# KiCad board TB9051FTG_Motortreiber_V0.1_geschlossen_wegen_Fehler.kicad_pcb
title: TB9051FTG Motortreiber; date: 2022-06-18; rev: V0.1; company: (C) Uwe Zimprich
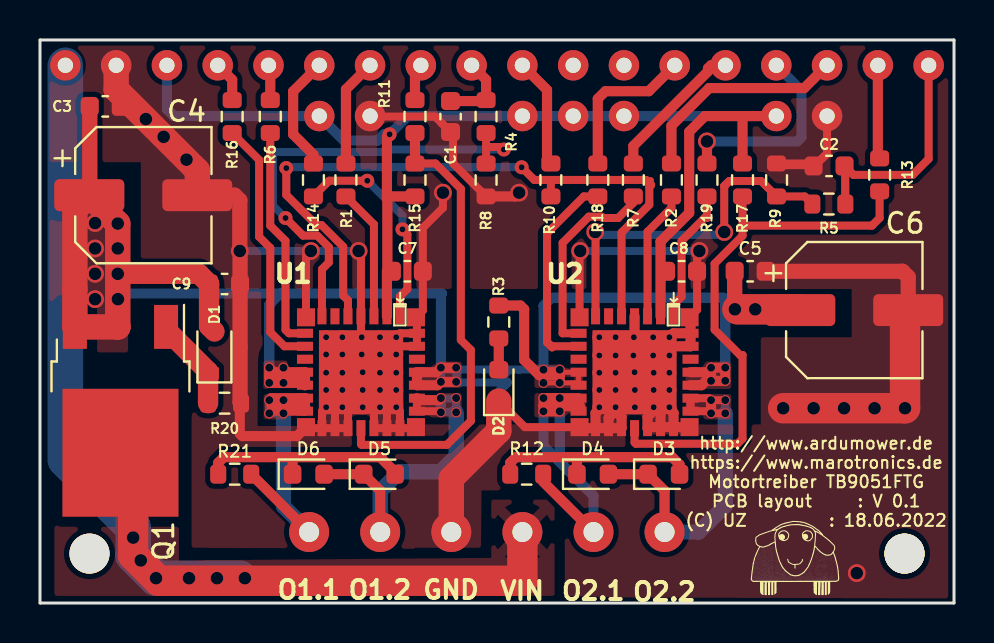
[diagram p0: board, top side]
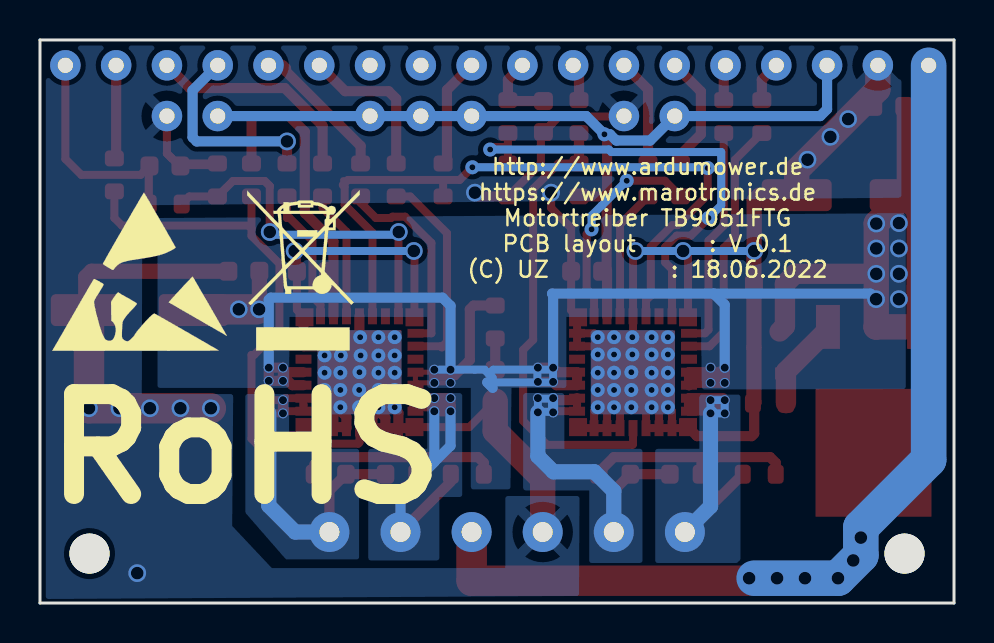
[diagram p1: board, bottom side, seen from below]

Outline 45.72 x 28.19 mm; copper layers: Top, Bottom. Coordinates in mm from the lower left corner of the outline.
Stack: Top 0.035mm / dielectric 0.48mm FR4 er 4.5 / Bottom 0.035mm

## Placement (name value [footprint] x y rotation side)
C1  470nF 25V  [C_0603_1608Metric]  20.54 24.36 270 top
C2  470nF 25V  [C_0603_1608Metric]  39.47 21.88 180 top
C3  100nF 50V  [C_0603_1608Metric]  3.26 24.87 0 top
C4  47uF 50V  [CP_Elec_6.3x7.7]  5.17 20.42 0 top
C5  100nF 50V  [C_0603_1608Metric]  35.52 16.61 0 top
C6  47uF 50V  [CP_Elec_6.3x7.7]  40.73 14.67 0 top
C7  100nF 50V  [C_0603_1608Metric]  18.38 16.61 180 top
C8  100nF 50V  [C_0603_1608Metric]  32.09 16.61 180 top
C9  100nF 50V  [C_0603_1608Metric]  9.23 15.98 180 top
D1  ZENER 16.2V  [D_SOD-323]  8.72 12.55 90 top
D2  LED_Blau  [LED_0603_1608Metric]  22.95 10.9 90 top
D3  LED_Rot  [LED_0603_1608Metric]  31.2 6.45 0 top
D4  LED_Grün  [LED_0603_1608Metric]  27.65 6.45 0 top
D5  LED_Rot  [LED_0603_1608Metric]  16.98 6.45 0 top
D6  LED_Grün  [LED_0603_1608Metric]  13.42 6.45 0 top
H1  WEEE-Logo  [WEEE-Logo_5.6x8mm_SilkScreen]  32.55 16.66 180 bottom
H2  ESD-Logo  [ESD-Logo_8.9x8mm_SilkScreen]  40.73 16.61 180 bottom
H3  -  [Logo_Ardumower_05mm]  37.68 2.26 0 top
Q1  D4185  [TO-252-2]  4.03 9.63 270 top
R1  1k  [R_0603_1608Metric]  15.3 21.18 270 top
R2  1k  [R_0603_1608Metric]  31.58 21.18 270 top
R3  4.7k  [R_0603_1608Metric]  22.95 14.07 270 top
R4  1k  [R_0603_1608Metric]  22.31 24.36 270 top
R5  1k  [R_0603_1608Metric]  39.46 19.98 180 top
R6  1k  [R_0603_1608Metric]  11.52 24.36 270 top
R7  1k  [R_0603_1608Metric]  29.68 21.18 270 top
R8  180  [R_0603_1608Metric]  22.31 21.18 270 top
R9  180  [R_0603_1608Metric]  36.84 21.18 90 top
R10  1k  [R_0603_1608Metric]  25.55 21.18 270 top
R11  220  [R_0603_1608Metric]  18.76 24.36 270 top
R12  4.7k  [R_0603_1608Metric]  24.35 6.45 180 top
R13  220  [R_0603_1608Metric]  42 21.44 270 top
R14  1k  [R_0603_1608Metric]  13.68 21.18 270 top
R15  10k  [R_0603_1608Metric]  18.76 21.18 270 top
R16  1k  [R_0603_1608Metric]  9.61 24.36 270 top
R17  10k  [R_0603_1608Metric]  35.14 21.18 90 top
R18  1k  [R_0603_1608Metric]  27.9 21.18 270 top
R19  1k  [R_0603_1608Metric]  33.36 21.18 270 top
R20  100k  [R_0603_1608Metric]  9.23 10.01 180 top
R21  4.7k  [R_0603_1608Metric]  9.74 6.45 180 top
U1  -  [TB9051FTG]  16.06 11.56 180 top
U2  -  [TB9051FTG]  29.74 11.56 180 top
U3  Motortreiber TB9051FTG  [MC33926_24_Pin_spezial_2Reihe_IORF_Pins_3und2]  -3.81 -10.92 0 top

## Library data of the parts
C1 C2 = -: Description: Unpolarized capacitor, small symbol; Beschreibung: 25V 470nF X7R ±10% 0603 Multilayer Ceramic Capacitors MLCC - SMD/SMT ROHS; Bestelllink: https://jlcpcb.com/parts/componentSearch?isSearch=true&searchTxt=0.47%200603; Bestücken (Assemble): JA (YES); Gehäuse: 0603; JLCPCB Basic / Extern: Basic; JLCPCB LCSC Part: C1623; Manufacturer_Name: CL10B474KA8NNNC; Manufacturer_Part_Number: Samsung Electro-Mechanics
C3 C5 = -: Description: Unpolarized capacitor, small symbol; Beschreibung: 50V 100nF X7R ±10% 0603 Multilayer Ceramic Capacitors MLCC - SMD/SMT ROHS; Bestelllink: https://jlcpcb.com/parts/componentSearch?isSearch=true&searchTxt=47uf; Bestücken (Assemble): JA (YES); Gehäuse: 0603; JLCPCB Basic / Extern: Basic; JLCPCB LCSC Part: C14663
C4 C6 = -: Description: Polarized capacitor, small symbol; Beschreibung: 1000hrs@105℃ -45℃~+105℃ 47uF 7.7mm 50V 6.3mm ±20% SMD,6.3x7.7mm Aluminum Electrolytic Capacitors - SMD ROHS; Bestelllink: https://jlcpcb.com/parts/componentSearch?isSearch=true&searchTxt=47uf; Bestücken (Assemble): JA (YES); Gehäuse: SMD,6.3x7.7mm; JLCPCB Basic / Extern: Extern; JLCPCB LCSC Part: C108053; Manufacturer_Name: VES470M1HTR-0607; Manufacturer_Part_Number: Lelon
C7-C9 = -: Description: 50V 100nF X7R ±10% 0603 Multilayer Ceramic Capacitors MLCC - SMD/SMT ROHS; Beschreibung: 50V 100nF X7R ±10% 0603 Multilayer Ceramic Capacitors MLCC - SMD/SMT ROHS; Bestelllink: https://jlcpcb.com/parts/componentSearch?isSearch=true&searchTxt=47uf; Bestücken (Assemble): JA (YES); Gehäuse: 0603; JLCPCB Basic / Extern: Basic; JLCPCB LCSC Part: C14663; Manufacturer_Name: CC0603KRX7R9BB104; Manufacturer_Part_Number: YAGEO
D1 = -: Description: 50nA@11.2V 40Ω Single 15.3V~17.1V 300mW 16.2V SOD-323 Zener Diodes ROHS; Beschreibung: 50nA@11.2V 40Ω Single 15.3V~17.1V 300mW 16.2V SOD-323 Zener Diodes ROHS; Bestelllink: https://jlcpcb.com/parts/componentSearch?isSearch=true&searchTxt=zener%200603; Bestücken (Assemble): JA (YES); Gehäuse: SOD-323; JLCPCB Basic / Extern: Extern; JLCPCB LCSC Part: C150089; Manufacturer_Name: MM3Z16VT1G; Manufacturer_Part_Number: onsemi
D2 = -: Description: Light emitting diode, small symbol; Beschreibung: blue 0603 Light Emitting Diodes (LED) ROHS; Bestelllink: https://jlcpcb.com/parts/componentSearch?isSearch=true&searchTxt=led%20gren%200603; Bestücken (Assemble): JA (YES); Gehäuse: 0603; JLCPCB Basic / Extern: Extern; JLCPCB LCSC Part: C193191; Manufacturer_Name: Orient; Manufacturer_Part_Number: ORH-B36G
D3 D5 = -: Description: Light emitting diode, small symbol; Beschreibung: Red 615~630nm 1.9~2.2V 0603 Light Emitting Diodes (LED) RoHS; Bestelllink: https://jlcpcb.com/parts/componentSearch?isSearch=true&searchTxt=C22548; Bestücken (Assemble): JA (YES); Gehäuse: 0603; JLCPCB Basic / Extern: Basic; JLCPCB LCSC Part: C2286; Manufacturer_Name: Hubei KENTO Elec; Manufacturer_Part_Number: KT-0603R
D4 D6 = -: Description: Light emitting diode, small symbol; Beschreibung: Emerald 0603 Light Emitting Diodes (LED) ROHS; Bestelllink: https://jlcpcb.com/parts/componentSearch?isSearch=true&searchTxt=led%20gren%200603; Bestücken (Assemble): JA (YES); Gehäuse: 0603; JLCPCB Basic / Extern: Extern; JLCPCB LCSC Part: C205443; Manufacturer_Name: Orient; Manufacturer_Part_Number: ORH-G36G
Q1 = -: Description: P-MOSFET transistor, gate/drain/source; Beschreibung: TO-252 MOSFETs ROHS; Bestelllink: https://jlcpcb.com/parts/componentSearch?isSearch=true&searchTxt=C879147; Bestücken (Assemble): JA (YES); Gehäuse: TO-252-2; JLCPCB Basic / Extern: Extern; JLCPCB LCSC Part: C879147; Manufacturer_Name: VBsemi Elec; Manufacturer_Part_Number: AOD4185
R1 R2 R4-R7 R10 R14 R16 R18 R19 = -: Description: Resistor, small symbol; Beschreibung: ±1% 1/10W Thick Film Resistors 75V ±100ppm/℃ -55℃~+155℃ 1kΩ 0603 Chip Resistor - Surface Mount ROHS; Bestelllink: https://jlcpcb.com/parts/componentSearch?isFirstLevel=true&firstName=Resistors; Bestücken (Assemble): JA (YES); Gehäuse: 0603; JLCPCB Basic / Extern: Basic; JLCPCB LCSC Part: C21190; Manufacturer_Name: UNI-ROYAL(Uniroyal Elec); Manufacturer_Part_Number: 0603WAF1001T5E
R3 R12 R21 = -: Description: Resistor, small symbol; Beschreibung: ±1% 1/10W Thick Film Resistors 75V ±100ppm/℃ -55℃~+155℃ 4.7kΩ 0603 Chip Resistor - Surface Mount ROHS; Bestelllink: https://jlcpcb.com/parts/componentSearch?isFirstLevel=true&firstName=Resistors; Bestücken (Assemble): JA (YES); Gehäuse: 0603; JLCPCB Basic / Extern: Basic; JLCPCB LCSC Part: C23162; Manufacturer_Name: UNI-ROYAL(Uniroyal Elec); Manufacturer_Part_Number: 0603WAF4701T5E
R8 R9 = -: Description: Resistor, small symbol; Beschreibung: 1/10W Thick Film Resistors 75V ±1% ±100ppm/℃ -55℃~+155℃ 180Ω 0603  Chip Resistor - Surface Mount ROHS; Bestelllink: https://jlcpcb.com/parts/componentSearch?isSearch=true&searchTxt=180r; Bestücken (Assemble): JA (YES); Gehäuse: 0603; JLCPCB Basic / Extern: Basic; JLCPCB LCSC Part: C22828; Manufacturer_Name: UNI-ROYAL(Uniroyal Elec); Manufacturer_Part_Number: 0603WAF1800T5E
R11 R13 = -: Description: Resistor, small symbol; Beschreibung: ±1% 1/10W Thick Film Resistors 75V ±100ppm/℃ -55℃~+155℃ 220Ω 0603 Chip Resistor - Surface Mount ROHS; Bestelllink: https://jlcpcb.com/parts/componentSearch?isFirstLevel=true&firstName=Resistors; Bestücken (Assemble): JA (YES); Gehäuse: 0603; JLCPCB Basic / Extern: Basic; JLCPCB LCSC Part: C22962; Manufacturer_Name: UNI-ROYAL(Uniroyal Elec); Manufacturer_Part_Number: 0603WAF2200T5E
R15 R17 = -: Description: Resistor, small symbol; Beschreibung: ±1% 1/10W Thick Film Resistors 75V ±100ppm/℃ -55℃~+155℃ 10kΩ 0603 Chip Resistor - Surface Mount ROHS; Bestelllink: https://jlcpcb.com/parts/componentSearch?isSearch=true&searchTxt=led%20gren%200603; Bestücken (Assemble): JA (YES); Gehäuse: 0603; JLCPCB Basic / Extern: Basic; JLCPCB LCSC Part: C25804; Manufacturer_Name: UNI-ROYAL(Uniroyal Elec); Manufacturer_Part_Number: 0603WAF1002T5E
R20 = -: Description: Resistor, small symbol; Beschreibung: ±1% 1/10W Thick Film Resistors 75V ±100ppm/℃ -55℃~+155℃ 100kΩ 0603 Chip Resistor - Surface Mount ROHS; Bestelllink: https://jlcpcb.com/parts/componentSearch?isFirstLevel=true&firstName=Resistors; Bestücken (Assemble): JA (YES); Gehäuse: 0603; JLCPCB Basic / Extern: Basic; JLCPCB LCSC Part: C25803; Manufacturer_Name: UNI-ROYAL(Uniroyal Elec); Manufacturer_Part_Number: 0603WAF1003T5E
U1 U2 = -: Description: PWM type single channel H-Bridge DC brushed motor driver for automotive use; Beschreibung: PWM type single channel H-Bridge DC brushed motor driver for automotive use; Bestelllink: https://jlcpcb.com/parts/componentSearch?isSearch=true&searchTxt=TB9051FTG; Bestücken (Assemble): JA (YES); Gehäuse: UQFN-28; Height: 1.8; JLCPCB Basic / Extern: Extern; JLCPCB LCSC Part: C2150635; Manufacturer_Name: Toshiba; Manufacturer_Part_Number: TB9051FTG,EL

## Footprints (pads in the part's own frame, mm; a bottom-side part is the same pattern mirrored in y, then rotated)
C_0603_1608Metric
  rrect 0.9x0.95 smd: 1(-0.775,0) 2(0.775,0)
CP_Elec_6.3x7.7
  rrect 3.5x1.6 smd: 1(-2.7,0) 2(2.7,0)
D_SOD-323
  rect 0.6x0.45 smd: 1(-1.05,0) 2(1.05,0)
LED_0603_1608Metric
  rrect 0.875x0.95 smd: 1(-0.787,0) 2(0.787,0)
MC33926_24_Pin_spezial_2Reihe_IORF_Pins_3und2
  round 2 hole 2: (6.287,13.399) (47.053,13.399)
  round 1.524 hole 0.762: 1(5.08,37.846) 2(7.62,37.846) 2(20.32,35.306) 2(43.18,35.306) 3(10.16,37.846) 3(17.78,35.306) 3(27.94,35.306) 3(30.48,35.306) 3(33.02,35.306) 3(40.64,35.306) 4(12.7,37.846) 5(15.24,37.846) 6(17.78,37.846) 7(20.32,37.846) 8(22.86,37.846) 9(25.4,37.846) 10(27.94,37.846) 11(30.48,37.846) 12(33.02,37.846) 13(35.56,37.846) 14(38.1,37.846) 15(40.64,37.846) 16(43.18,37.846) 17(45.72,37.846) 18(48.26,37.846)
  round 2 hole 1: 19(17.272,14.478) 20(20.828,14.478) 21(24.384,14.478) 22(27.94,14.478) 23(31.496,14.478) 24(35.052,14.478)
R_0603_1608Metric
  rrect 0.8x0.95 smd: 1(-0.825,0) 2(0.825,0)
TB9051FTG
  rect 0.45x0.8 smd: 1(-1.95,-2.8) 2(-1.3,-2.8) 3(-0.65,-2.8) 4(0,-2.8) 5(0.65,-2.8) 6(1.3,-2.8) 7(1.95,-2.8) 15(1.95,2.8) 16(1.3,2.8) 17(0.65,2.8) 18(0,2.8) 19(-0.65,2.8) 20(-1.3,2.8) 21(-1.95,2.8)
  rect 0.8x0.45 smd: 8(2.8,-1.95) 9(2.8,-1.3) 10(2.8,-0.65) 11(2.8,0) 12(2.8,0.65) 13(2.8,1.3) 14(2.8,1.95) 22(-2.8,1.95) 23(-2.8,1.3) 24(-2.8,0.65) 25(-2.8,0) 26(-2.8,-0.65) 27(-2.8,-1.3) 28(-2.8,-1.95)
  rect 4.2x4.2 smd: 29(0,0)
  rect 0.9x0.9 smd: C1(-2.75,-2.75) C2(2.75,-2.75) C3(2.75,2.75) C4(-2.75,2.75)
TO-252-2
  rect 3.05x2.75 smd: (0.425,1.525) (0.425,-1.525) (3.775,1.525) (3.775,-1.525)
  rect 2.2x1.2 smd: 1(-4.2,2.28) 3(-4.2,-2.28)
  rect 6.4x5.8 smd: 2(2.1,0)

## Nets
GND: C1.2 C2.2 C3.2 C4.2 C5.2 C6.2 C7.1 C8.1 C9.1 D2.1 R8.2 R9.2 R20.1 U1.4 U1.15 U1.16 U1.17 U1.19 U1.20 U1.21 U1.27 U1.28 U1.29 U1.C1 U1.C2 U1.C3 U1.C4 U2.4 U2.15 U2.16 U2.17 U2.19 U2.20 U2.21 U2.27 U2.28 U2.29 U2.C1 U2.C2 U2.C3 U2.C4 U3.2 U3.21
VIN: Q1.2 U3.1 U3.22
EN: R10.2 U1.5 U2.5
IORF: C7.2 C8.2 R15.2 R17.2 U1.2 U2.2 U3.3
M1D1-7->U1-ENB-3: R1.2 U1.3
M1FB-9->U1-OCM-7: C1.1 R4.1 U3.9
M1IN1-5->U1-PWM1-8: R6.2 U1.8
M1IN2-4->U1-PWM2-9: R16.2 U1.9
M1nD2-6->U1-OCC-1: R14.2 U1.1
M1nSF-8->U1-DIAG-18: R11.1 U3.8
M1OUT1: R21.1 U1.13 U1.14 U3.19
M1OUT2: D5.1 D6.2 U1.22 U1.23 U3.20
M2_FB-18->U2-OCM-7: C2.1 R5.1 U3.18
M2D1-16->U2-ENB-3: R2.2 U2.3
M2IN1-14->U2-PWM1-8: R7.2 U2.8
M2IN2-13->U2-PWM2-9: R18.2 U2.9
M2nD2-15->U2-OCC-1: R19.2 U2.1
M2nSF-17->U2-DIAG-18: R13.1 U3.17
M2OUT1: R12.1 U2.13 U2.14 U3.23
M2OUT2: D3.1 D4.2 U2.22 U2.23 U3.24
VOUT: C3.1 C4.1 C5.1 C6.1 C9.2 D1.2 Q1.3 R3.1 U1.11 U1.12 U1.24 U1.25 U2.11 U2.12 U2.24 U2.25
Net-(D1-A): D1.1 Q1.1 R20.2
Net-(D2-A): D2.2 R3.2
Net-(D3-A): D3.2 D4.1 R12.2
Net-(D5-A): D5.2 D6.1 R21.2
Net-(U1-DIAG): R11.2 R15.1 U1.18
Net-(U1-OCM): R4.2 R8.1 U1.7
Net-(U2-DIAG): R13.2 R17.1 U2.18
Net-(U2-OCM): R5.2 R9.1 U2.7
Net-(U3-EN): R10.1 U3.10
Net-(U3-M1D1): R1.1 U3.7
Net-(U3-M1IN1): R6.1 U3.5
Net-(U3-M1IN2): R16.1 U3.4
Net-(U3-M1nD2): R14.1 U3.6
Net-(U3-M2D1): R2.1 U3.16
Net-(U3-M2IN1): R7.1 U3.14
Net-(U3-M2IN2): R18.1 U3.13
Net-(U3-M2nD2): R19.1 U3.15

Pads without a net: U1 6 10 26; U2 6 10 26; U3 11 12

## Via types
v1: diameter 0.889, hole 0.635, Top to Bottom, 35 vias
v2: diameter 0.7, hole 0.3, Top to Bottom, 57 vias
v3: diameter 0.5, hole 0.4, Top to Bottom, 32 vias

## Routing (per net, layer and track width the routed paths; a pad name or vN(x,y) marks a point on that pad's centre or on a via; arc(x,y) is an arc through that point)
GND: length 154
  Top w0.254: 36.84,21.85 38.69,21.85 ; U3.2 39.37,22.54 39.37,22.53 39.37,22.51
  Top w0.4: 38.74,21.88 39.13,22.27 ; 39.13,22.27 39.37,22.51 U3.2 ; 39.13,22.27 39.37,22.51 ; 15.41,10.91 U1.17 U1.16 ; v1(32.98,17.63) 32.87,17.51 C8.1 32.87,14.68 U2.C1 ; 20.08,24.03 20.66,23.46 20.66,22.01 R8.2 ; 20.08,24.03 C1.2 ; 20.08,24.03 19.76,24.36 16.53,24.36 ; U1.16 U1.15 ; U1.16 14.76,10.26 ; D2.1 24.25,8.81 U2.C3 ; U1.15 13.36,8.76 ; U1.15 14.11,9.61 U1.29 ; U1.21 18.01,9.61 U1.29 ; U1.21 18.76,8.76 ; U1.21 U1.20 ; 16.09,13.56 16.06,13.6 U1.4 16.06,17.51 v1(15.94,17.63) ; U1.29 18.01,13.51 U1.28 ; 17.36,12.86 U1.27 U1.28 ; v1(27.02,17.63) 26.99,17.6 U2.C2 ; U1.28 18.86,14.26 ; U1.C1 19.15,14.65 C7.1 19.15,18.78 20.15,19.79 v1(20.15,20.55) ; v1(13.55,17.63) 13.31,17.38 U1.C2 ; R9.2 38.57,22.01 ; U1.20 17.36,10.26 ; U1.20 U1.19 16.71,10.91
  Top w0.508: v2(29.74,11.56) 31.69,13.51 U2.28 ; 31.58,9.63 31.69,9.52 U2.21 ; U2.28 U2.27 31.04,12.86 ; U2.28 32.54,14.26 ; R20.1 9.99,9.94 9.99,8.48 10.12,8.36 12.85,8.36 U1.C3 ; U2.16 28.44,9.28 28.79,9.63 29.09,9.33 U2.17 27.04,8.76 ; U2.15 27.79,9.51 27.9,9.63 ; U2.4 29.74,12.61 ; U2.20 31.04,10.26 ; 30.7,9.63 30.39,9.32 U2.19 30.44,8.81 U2.C4 ; R8.2 23.77,20.36 v1(23.96,20.55)
  Top w0.762: C6.2 43.43,16.32 43.14,16.61 C5.2 ; C4.2 9.74,20.42 9.99,20.17 v1(9.99,17.63) 10.01,17.61 10.01,10.06 R20.1
  Top w1.27: U3.21 20.57,6.24 22.95,8.61 D2.1 ; C4.2 7.87,21.66 3.81,25.72 U3.2
  Top w1.524: C6.2 43.27,14.51 v1(43.27,9.75) v1(37.17,9.75)
  Bottom w0.4: v1(9.99,17.63) v1(15.94,17.63) ; v1(27.02,17.63) v1(32.98,17.63)
  vias: v1(5.3,24.23) v1(6.18,23.34) v1(7.33,22.2) v1(38.7,9.75) v1(40.22,9.75) v1(40.86,1.5) v1(41.74,9.75) v2(14.31,13.31) v2(14.31,12.45) v2(14.31,11.53) v2(14.31,10.67) v2(14.31,9.8) v2(15.13,13.31) v2(15.13,12.45) v2(15.13,11.53) v2(15.13,10.67) v2(15.13,9.8) v2(16.09,13.31) v2(16.09,12.45) v2(16.14,11.56) v2(16.14,10.67) v2(16.14,9.8) v2(17.01,13.31) v2(17.01,12.45) v2(17.01,11.53) v2(17.01,10.67) v2(17.01,9.8) v2(17.82,13.31) v2(17.82,12.45) v2(17.82,11.53) v2(17.82,10.67) v2(17.82,9.8) v2(27.98,13.31) v2(27.98,12.4) v2(27.98,11.53) v2(27.98,10.67) v2(27.98,9.8) v2(28.79,13.31) v2(28.79,12.4) v2(28.79,11.53) v2(28.79,10.67) v2(28.79,9.8) v2(29.71,13.31) v2(29.68,12.4) v2(29.76,10.67) v2(29.76,9.8) v2(30.67,13.31) v2(30.67,12.4) v2(30.7,11.53) v2(30.7,10.67) v2(30.7,9.8) v2(31.48,13.31) v2(31.48,12.4) v2(31.48,11.53) v2(31.48,10.67) v2(31.48,9.8)
VIN: length 58.7
  Top w1.524: U3.22 24.13,1.12 5.93,1.12 4.66,2.39 4.66,6.89
  Bottom w1.778: U3.1 1.27,7.18 4.66,3.78 4.66,2.39 v1(5.8,1.24) 9.99,1.24
  vias: v1(4.66,3.28) v1(5.04,2.13) v1(7.45,1.24) v1(8.85,1.24) v1(10.25,1.24)
EN: length 41.6
  Top w0.254: 24.73,21.18 30.57,21.18 30.57,20.93
  Top w0.4: v2(24.09,21.82) 24.73,21.18 30.31,21.18 30.57,20.93 30.48,20.84 30.48,19.94 29.09,18.55 U2.5 ; U1.5 15.41,15.16 15.17,15.4 15.17,17.84 14.09,18.92 13.83,18.92 12.32,20.43 v2(12.32,21.78) ; R10.2 25.55,21.12 25.49,21.18
  Bottom w0.4: v2(12.32,21.78) 12.36,21.82 v2(24.09,21.82)
IORF: length 63.3
  Top w0.254: 35.14,24.28 35.24,24.38 33.26,24.38
  Top w0.508: v2(17.49,23.47) 17.36,23.34 17.36,20.26 ; U1.2 17.36,16.66 ; 17.36,20.26 17.45,20.36 R15.2 ; 17.36,20.26 17.38,20.24 17.38,16.68 ; R17.2 35.14,24.28 ; U2.2 31.04,18.1 32.47,19.53 32.47,23.6 33.26,24.38 U3.3
  Bottom w0.508: U3.3 U3.3 U3.3 U3.3 18.4,24.38 v2(17.49,23.47) 17.21,23.47 16.9,23.16 15.19,23.16 U3.3 6.69,24.38 6.35,24.73 U3.3
M1D1-7->U1-ENB-3: length 6.6
  Top w0.4: U1.3 16.71,18.96 R1.2
M1FB-9->U1-OCM-7: length 3.8
  Top w0.508: C1.1 22.26,25.13 ; U3.9 22.31,26.2 R4.1
M1IN1-5->U1-PWM1-8: length 11.2
  Top w0.4: U1.8 12.46,13.51 12.28,13.68 12.28,18.14 11.52,18.9 R6.2
M1IN2-4->U1-PWM2-9: length 12.8
  Top w0.4: U1.9 12.23,12.86 11.52,13.56 11.52,17.78 10.96,18.34 10.96,22.19 R16.2
M1nD2-6->U1-OCC-1: length 10.8
  Top w0.4: R14.2 14.46,21.14 v2(16.37,21.14) ; v2(18.13,18.71) 18.38,18.47 18.38,15.72 18.01,15.35 U1.1
  Bottom w0.4: v2(18.13,18.71) 18.13,19.4 17.62,19.91 17.61,19.91 16.37,21.14 v2(16.37,21.14)
M1nSF-8->U1-DIAG-18: length 1.4
  Top w0.508: R11.1 18.76,26.63
M1OUT1: length 19.3
  Top w0.508: 13.26,9.92 U1.13 11.57,10.26 v3(11.47,10.16) ; 13.26,9.92 11.58,9.92 11.57,9.91 ; 13.26,9.92 13.26,9.64 11.6,9.64 v3(11.47,9.5) ; 13.46,3.56 R21.1
  Bottom w0.4: v3(11.47,10.16) v3(11.47,9.5) v3(12.18,9.5) v3(12.18,10.16) v3(11.47,10.16)
  Bottom w0.762: v3(12.18,9.5) 12.18,4.84 U3.19
M1OUT2: length 20.1
  Top w0.4: U1.23 U1.22 20,9.61 v3(20.05,9.55)
  Top w0.508: U3.20 17.02,5.63 D5.1 D6.2 ; U1.23 18.95,10.16 19.95,10.16 v3(20.05,10.26)
  Bottom w0.4: 20.05,10.24 20.84,10.24 ; v3(20.82,9.55) v3(20.82,10.26) ; 20.05,9.58 20.84,9.58
  Bottom w0.508: v3(20.05,9.55) v3(20.05,10.26)
  Bottom w0.762: U3.20 17.02,5.6 17.99,6.57 20.03,6.57 20.82,7.35 v3(20.82,9.55)
M2_FB-18->U2-OCM-7: length 13.2
  Top w0.254: 40.22,21.88 40.22,19.99
  Top w0.4: C2.1 40.69,21.44 43.65,21.44 44.45,22.24 U3.18 ; R5.1 40.28,21.84
M2D1-16->U2-ENB-3: length 6.5
  Top w0.4: U2.3 30.39,18.59 31.58,19.79 R2.2
M2IN1-14->U2-PWM1-8: length 10.1
  Top w0.4: R7.2 29.68,20.04 28.92,19.28 28.16,19.28 28.09,19.35 27.46,19.35 26.14,18.03 26.14,13.51 U2.8
M2IN2-13->U2-PWM2-9: length 12.3
  Top w0.254: 25.31,13.23 25.69,12.86 U2.9
  Top w0.4: R18.2 27.2,20.36 25.36,18.52 25.36,13.06 25.62,12.8 25.67,12.86 U2.9
M2nD2-15->U2-OCC-1: length 6.8
  Top w0.4: R19.2 33.36,19.28 33.24,19.28 32.09,18.14 32.09,15.34 31.69,14.94 U2.1
M2nSF-17->U2-DIAG-18: length 4.6
  Top w0.508: U3.17 41.91,22.35
M2OUT1: length 20
  Top w0.254: R12.1 25.17,6.07
  Top w0.508: v3(26,10.26) v3(25.18,10.26) 25.18,9.86 ; v3(26,10.26) v3(26,9.6) v3(25.18,9.6) 25.18,9.86 ; v3(26,10.26) 26,10.26 U2.13 ; 25.18,9.86 27.01,9.86 ; U3.23 25.17,6.07
  Bottom w0.508: v3(25.18,9.6) 25.18,7.87 26.5,6.55 ; U3.23 27.69,5.37 26.5,6.55 ; v3(26,9.6) 26,7.06 26.5,6.55
M2OUT2: length 19
  Top w0.4: v3(34.28,9.5) v3(33.57,9.5) 33.46,9.61 U2.22 U2.23 33.47,10.26 v3(33.57,10.16) v3(34.28,10.16)
  Top w0.508: v3(33.57,9.5) v3(33.57,10.16) ; U3.24 31.24,5.63 D3.1 D4.2
  Bottom w0.4: v3(34.28,10.16) v3(34.28,9.5)
  Bottom w0.762: v3(34.28,9.5) 34.28,4.88 32.96,3.56 U3.24
VOUT: length 114.9
  Top w0.254: v3(25.18,11.68) 25.31,11.56 U2.11 U2.12 26.82,11.02 v3(25.18,11.02) v3(25.18,11.68) ; v3(25.18,11.68) v3(26,11.68)
  Top w0.508: 26,11.4 v3(26,11.02) ; 26,11.4 v3(26,11.68) ; 26,11.4 24.98,11.4 24.22,12.17 24.22,14.71 24.03,14.9 R3.1 ; 12.18,11.23 v3(12.18,11.79) ; 12.18,11.23 v3(12.18,11.02) ; 12.18,11.23 12.89,11.23 12.94,11.28 12.89,11.33 11.47,11.33 ; 33.57,11.38 33.39,11.56 U2.25 ; 33.57,11.38 33.09,10.91 U2.24 ; 33.57,11.38 v3(33.57,11.13) v3(34.28,11.13) v3(34.28,11.79) v3(33.57,11.79) 33.57,11.38 ; v3(20.82,11.07) v3(20.05,11.07) 19.89,10.91 U1.24 U1.25 19.82,11.56 v3(20.05,11.79) v3(20.82,11.79) ; 11.47,11.33 v3(11.47,11.02) 13.14,11.02 U1.12 U1.11 11.7,11.56 v3(11.47,11.79) 11.47,11.33
  Top w0.762: 34.89,14.71 34.75,14.85 C5.1 ; C3.1 2.49,20.44 C4.1
  Top w1.016: v1(3.89,16.48) 7.95,16.48 C9.2 8.46,13.86 D1.2
  Top w1.27: 3.9,13.82 3.89,13.83 ; 3.89,13.83 Q1.3 1.75,19.7 C4.1 v1(3.89,19) 3.89,13.83
  Top w1.524: 37.99,14.71 34.89,14.71
  Bottom w0.4: 20.84,11.68 23.05,11.68 23.27,11.47 ; 20.84,11.68 20.05,11.68 20.05,11.05 20.84,11.05 ; 20.84,11.68 20.84,11.05 ; 23.27,11.47 23.08,11.28 23.08,10.77 ; 23.27,11.47 23.48,11.68 25.74,11.68 ; 20.84,11.05 23.36,11.05
  Bottom w0.508: v3(25.18,11.68) 25.18,14.88 25.59,15.29 34.18,15.29 34.28,15.19 v3(34.28,11.79) ; 12.03,15.49 11.47,14.94 v3(11.47,11.79) ; 12.03,15.49 20.1,15.49 20.05,15.44 v3(20.05,11.79) ; 12.03,15.49 4.18,15.49 v1(3.9,15.21) ; 23.08,10.77 23.36,11.05
  vias: v1(2.76,19.02) v1(2.76,17.75) v1(2.76,16.48) v1(2.76,15.21) v1(3.89,17.75) v1(34.76,14.71) v1(35.78,14.71)
Net-(D1-A): length 4.7
  Top w1.016: Q1.1 6.31,13.7 8.41,11.59 R20.2
Net-(D2-A): length 1.6
  Top w0.508: D2.2 R3.2
Net-(D3-A): length 10.7
  Top w0.508: 26.98,7.31 31.62,7.31 31.99,6.93 D3.2 ; 26.98,7.31 23.8,7.31 23.52,7.02 R12.2 ; 26.98,7.31 26.86,7.19 D4.1
Net-(D5-A): length 10.7
  Top w0.508: 12.57,7.31 9.2,7.31 8.92,7.02 R21.2 ; 12.57,7.31 17.02,7.31 17.77,6.55 ; 12.57,7.31 12.64,7.24 D6.1
Net-(U1-DIAG): length 23
  Top w0.4: R15.1 19.78,22.01 21.05,20.74 21.05,13.18 21.55,12.67 21.55,9.12 20.35,7.92 16.09,7.92 16.06,7.96 U1.18
  Top w0.508: R11.2 R15.1
Net-(U1-OCM): length 24
  Top w0.4: 22.31,22.83 R4.2 ; 22.31,22.83 23.08,22.83 v2(23.2,22.71) ; 22.31,22.83 R8.1 ; v2(12.28,19.28) 13.16,18.4 13.87,18.4 14.45,17.82 14.45,17.06 14.11,16.71 U1.7
  Bottom w0.4: v2(23.2,22.71) 17.26,22.71 17.14,22.58 11.65,22.58 11.65,19.91 v2(12.28,19.28)
Net-(U2-DIAG): length 28
  Top w0.4: U2.18 29.74,8.04 29.81,7.98 34.89,7.98 35.14,8.23 35.14,12.42 35.01,12.42 33.74,13.69 33.74,16.99 35.14,18.39 35.14,18.77 ; 35.14,18.77 35.27,18.9 41.62,18.9 42,19.28 42,20.61 ; 35.14,18.77 R17.1
Net-(U2-OCM): length 18.4
  Top w0.254: 34.48,21.13 34.39,21.04
  Top w0.4: 34.23,20.88 34.48,21.13 36.07,21.13 R9.1 38.25,20.36 38.63,19.98 ; 34.23,20.88 34.39,21.04 ; 34.23,20.88 v1(34.23,18.58) ; U2.7 27.79,18.56 v1(27.77,18.58)
  Bottom w0.4: v1(34.23,18.58) 34.09,18.44 27.91,18.44 v1(27.77,18.58)
Net-(U3-EN): length 5.5
  Top w0.508: U3.10 25.36,25.69 25.36,22.2 R10.1
Net-(U3-M1D1): length 5.4
  Top w0.508: R1.1 15.3,25.72 U3.7
Net-(U3-M1IN1): length 1.7
  Top w0.508: R6.1 11.52,26.84
Net-(U3-M1IN2): length 2
  Top w0.508: U3.4 9.61,26.2 R16.1
Net-(U3-M1nD2): length 5.9
  Top w0.508: R14.1 13.68,22.45 12.66,23.47 12.66,25.62 U3.6
Net-(U3-M2D1): length 10.9
  Top w0.508: R2.1 31.58,23.9 33.47,25.78 38.23,25.78 U3.16
Net-(U3-M2IN1): length 7.2
  Top w0.508: R7.1 29.68,22.89 33.41,26.62 33.41,26.77 33.57,26.92 U3.14
Net-(U3-M2IN2): length 7.8
  Top w0.508: R18.1 27.9,25.25 28.28,25.63 30.45,25.63 U3.13
Net-(U3-M2nD2): length 10
  Top w0.508: v1(33.36,23.11) R19.1
  Bottom w0.508: U3.15 38.09,25.67 38.09,23.32 37.88,23.11 v1(33.36,23.11)

## Copper pours and planes (outline as drawn; the poured copper is in the pictures)
GND on Top: 45.43,0.23 29.04,0.28 26.25,0.36 26.25,5.64 22.09,5.64 22.06,2.77 18.76,2.77 18.76,2.72 7.58,2.77 7.58,8.92 7.71,15.6 11.14,15.6 11.14,12.95 10.96,12.55 10.91,12.19 10.88,8.86 13.93,8.86 13.96,13.61 18.17,13.67 18.22,8.94 27.72,8.94 27.62,13.67 31.84,13.67 31.79,8.94 36.06,8.94 36.06,13.31 40.6,13.31 40.6,15.72 5.04,15.72 5.04,22.07 0.47,22.07 0.47,27.91 45.43,27.91
GND on Bottom: 18.17,9.45 13.96,9.45 13.96,13.67 18.17,13.67
GND on Bottom: 31.84,9.45 27.62,9.45 27.62,13.67 31.84,13.67
GND on Bottom: 45.43,0.2 18.76,0.36 18.73,5.36 22.44,5.36 22.44,1.75 34.12,1.75 36.11,3.86 36.06,10.46 40.63,10.46 40.6,19.91 2.63,20.29 2.63,27.91 45.43,27.91
VIN on Top: 6.95,2.13 22.57,2.26 22.57,5.18 25.74,5.18 25.74,0.36 0.72,0.36 0.72,5.18 6.95,5.05
M1OUT1 on Top: 12.74,10.41 13.45,10.41 13.45,9.5 12.79,9.5 12.59,9.19 11.19,9.19 11.19,10.46 12.59,10.46
M1OUT1 on Bottom: 12.74,10.44 12.74,7.72 14.95,7.72 14.95,2.01 10.68,2.01 10.68,10.44
M1OUT2 on Top: 21.37,9.3 19.55,9.3 19.29,9.5 18.68,9.5 18.68,10.46 19.39,10.46 19.49,10.52 21.37,10.52
M1OUT2 on Bottom: 21.55,5.64 18.25,5.64 18.25,2.01 15.58,2.01 15.58,7.72 19.49,7.72 19.49,10.52 21.55,10.52
M2OUT1 on Top: 27.32,10.52 27.32,9.4 26.35,9.4 26.2,9.3 24.73,9.3 24.73,10.52
M2OUT1 on Bottom: 25.74,2.13 25.74,5.31 24.6,5.31 24.6,10.52 26.35,10.52 26.35,7.72 29.3,7.72 29.3,2.13
M2OUT2 on Top: 34.58,9.19 33.21,9.19 33.01,9.45 32.3,9.45 32.3,10.46 34.58,10.46
M2OUT2 on Bottom: 35.45,4.52 33.41,2.18 29.76,2.18 29.76,7.72 33.26,7.72 33.26,10.46 35.45,10.46
VOUT on Top: 4.41,12.55 0.47,12.55 0.47,21.82 4.41,21.82
VOUT on Top: 26.45,11.73 27.27,11.73 27.27,10.77 24.73,10.77 24.73,11.94 26.15,11.94
VOUT on Top: 34.58,10.72 32.3,10.72 32.3,11.79 33.11,11.79 33.31,12.09 34.58,12.09
VOUT on Top: 21.37,10.77 19.44,10.77 19.29,10.72 18.68,10.72 18.68,11.73 19.39,11.73 19.95,12.09 21.37,12.09
VOUT on Top: 12.64,11.79 13.55,11.79 13.55,10.77 12.84,10.77 12.74,10.72 11.16,10.72 11.16,12.14 12.64,12.14
VOUT on Bottom: 39.84,10.77 33.26,10.77 33.24,14.33 26.35,14.33 26.35,10.77 24.17,10.77 24.17,5.69 22.19,5.69 22.14,10.77 19.39,10.77 19.39,14.33 12.66,14.33 12.61,10.69 0.44,10.72 0.47,19.53 39.84,19.28

## Text on the board
B.Silkscreen: http://www.ardumower.de / https://www.marotronics.de / Motortreiber TB9051FTG / PCB layout      : V 0.1 / (C) UZ          : 18.06.2022 | RoHS
F.Silkscreen: http://www.ardumower.de / https://www.marotronics.de / Motortreiber TB9051FTG / PCB layout     : V 0.1 / (C) UZ         : 18.06.2022 | O1.1 | O1.2 | GND | VIN | O2.1 | O2.2
